# KiCad board AMC_FMC_Carrier-PcbDoc.kicad_pcb (continued)
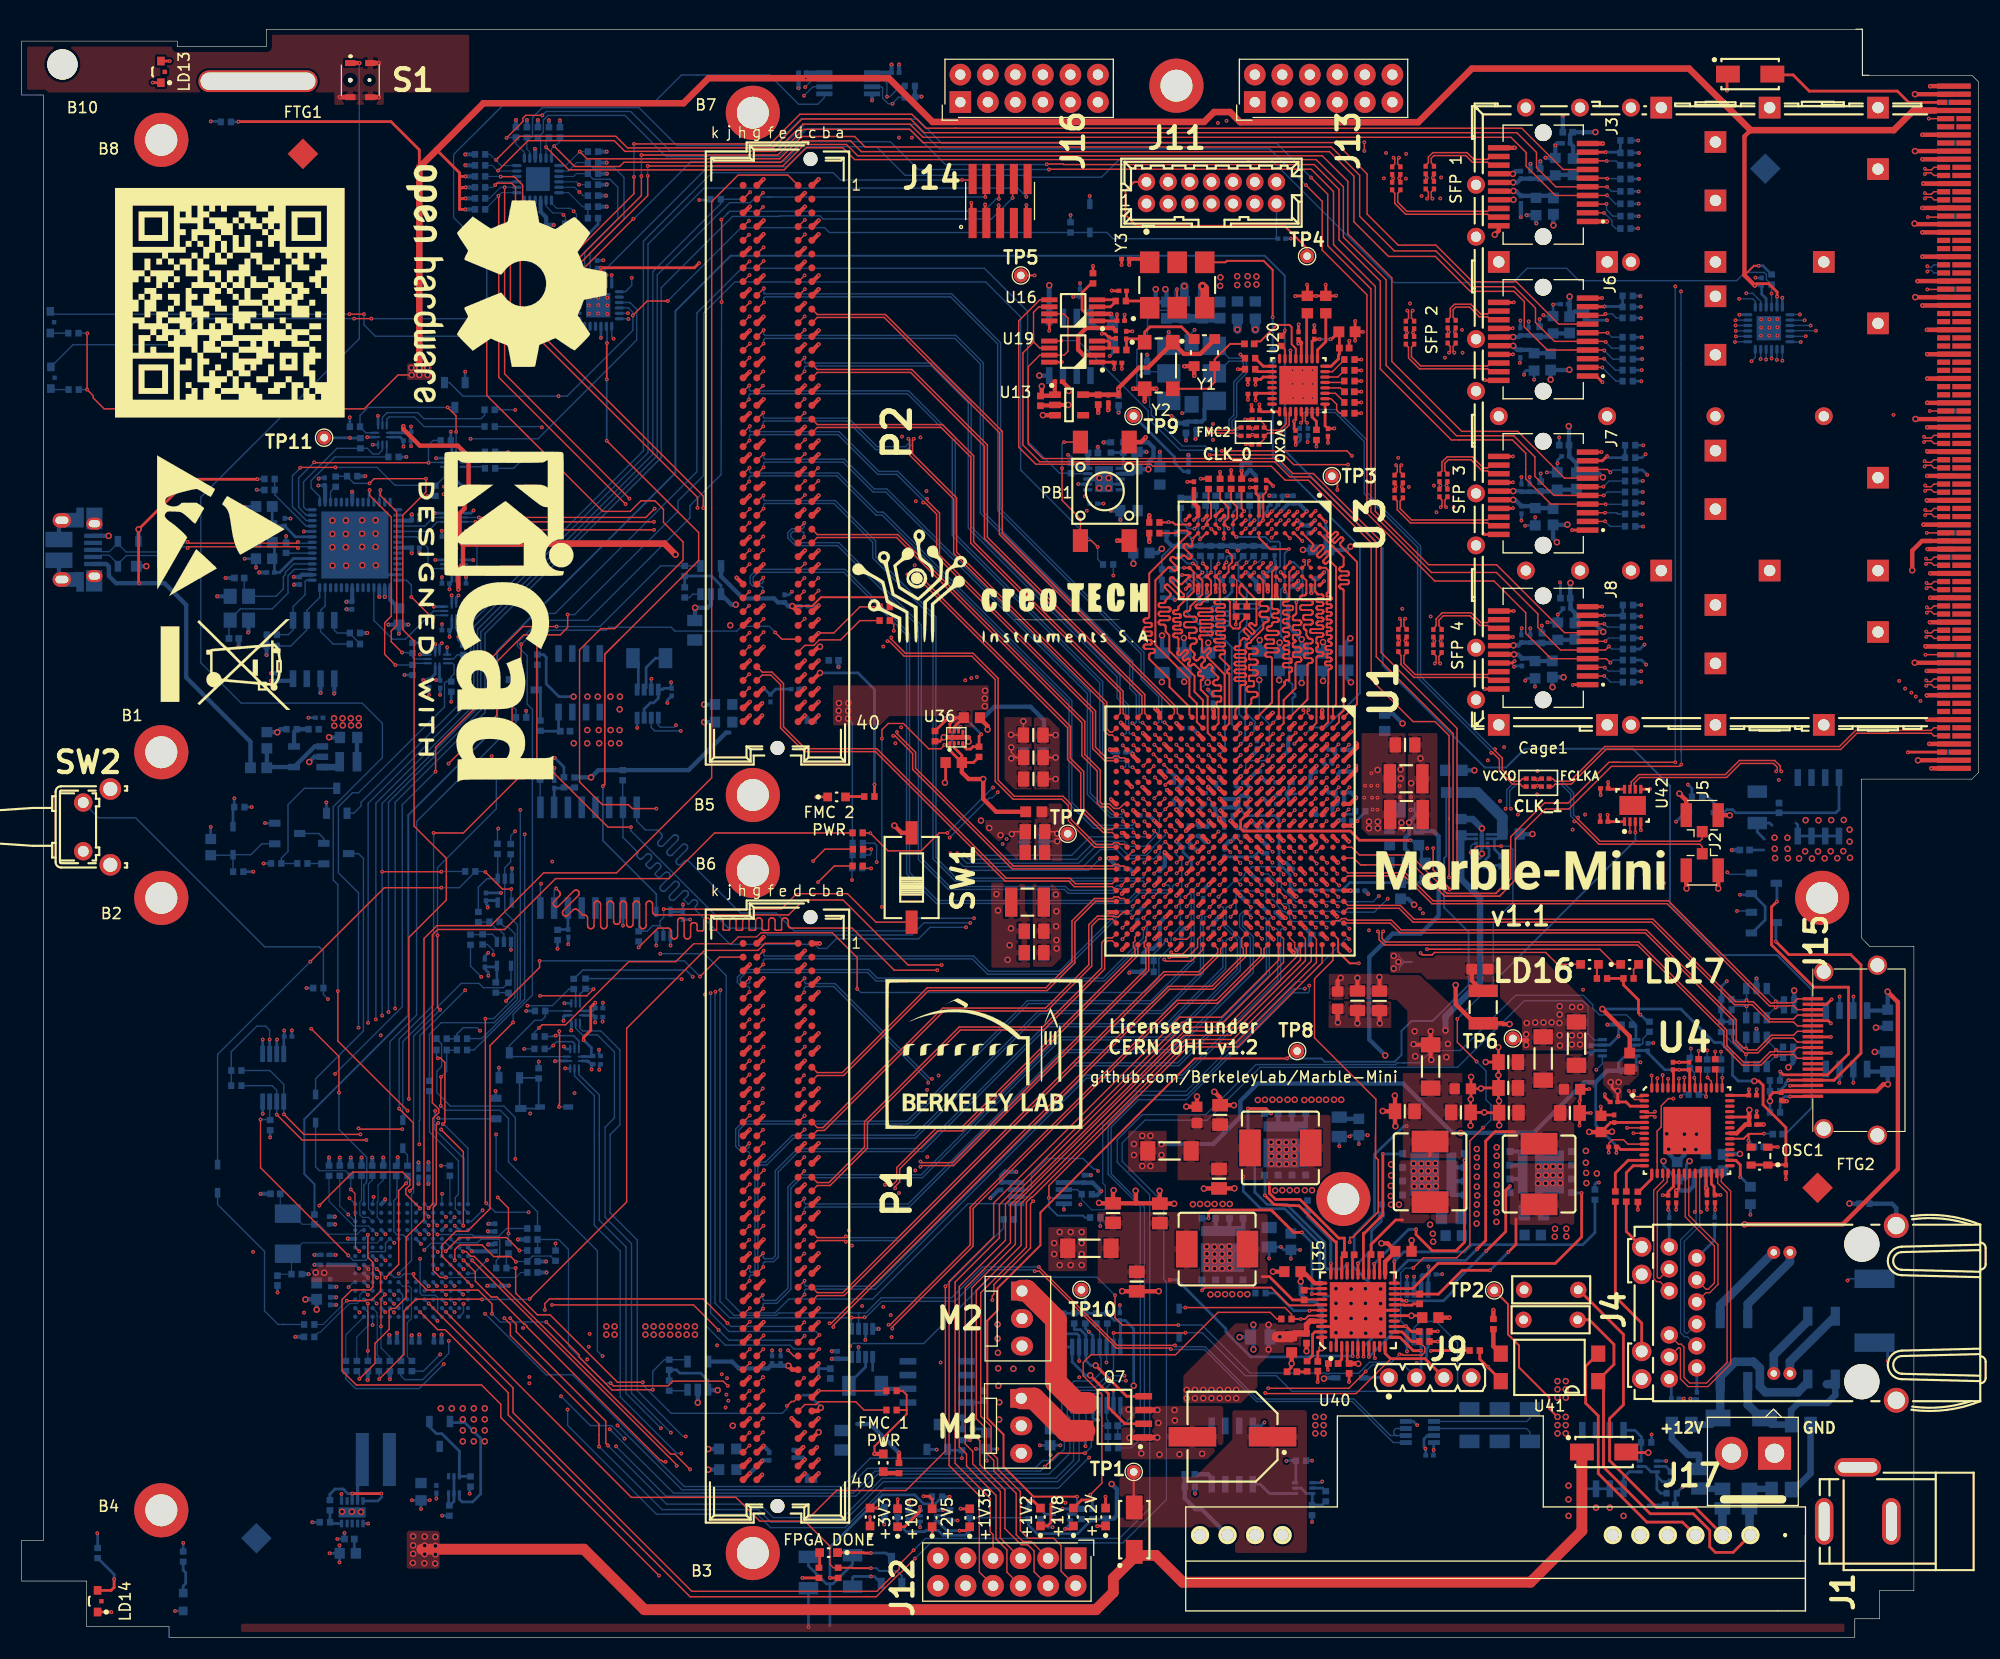
[diagram p0: board, top side]
## Routing (per net, layer and track width the routed paths; a pad name or vN(x,y) marks a point on that pad's centre or on a via; arc(x,y) is an arc through that point) (continued)
/FPGA/SFP1_DEF0: length 31.3
  Top w0.127: v1(146.35,134.71) 146.31,134.75 J3.6
  In2.Cu w0.127: v1(165.12,121.14) 165.12,123.58 159.41,129.3 151.99,129.3 149.23,132.06 148.17,132.06 146.67,133.56 146.67,134.39 v1(146.35,134.71)
  Bottom w0.127: v1(146.35,134.71) 147.52,134.71 R37.2 ; U34.3 163.22,121.14 v1(165.12,121.14)
/FPGA/SFP1_LOS: length 33.3
  Top w0.127: v1(146.3,136.33) 146.29,136.35 J3.8
  In2.Cu w0.127: v1(165.61,120.66) 165.61,123.94 159.92,129.63 153.67,129.63 146.96,136.33 v1(146.3,136.33)
  Bottom w0.127: v1(165.61,120.66) 163.24,120.66 U34.4 ; v1(146.3,136.33) 147.17,136.33 R38.2
/FPGA/SFP1_RS: length 110.2
  Top w0.127: 86.26,139.36 86.16,139.36 ; 86.26,139.36 138.46,139.36 142.27,135.55 J3.7 ; 86.26,139.36 83.46,139.36 82.17,140.65 71.83,140.65 69.09,137.91 v1(56.51,137.91) ; v1(50.19,126.99) 56.51,133.31 v1(56.51,134.86)
  Bottom w0.127: v1(50.19,126.99) 49.25,126.05 49.25,124.37 49.85,123.77 U39.17 ; v1(56.51,134.86) v1(56.51,137.91)
/FPGA/SFP1_TX_DIS: length 29.1
  Top w0.127: J3.3 146.26,132.35 v1(146.28,132.37)
  In2.Cu w0.127: v1(164.57,121.63) 164.57,123.58 159.18,128.97 151.05,128.97 149.13,130.89 147.76,130.89 v1(146.28,132.37)
  Bottom w0.127: v1(146.28,132.37) 146.28,131.84 146.87,131.24 R105.2 ; U34.2 163.23,121.63 v1(164.57,121.63)
/FPGA/SFP1_TX_FAULT: length 27.9
  Top w0.127: v1(146.05,131.53) 146.03,131.55 J3.2
  In2.Cu w0.127: v1(164.13,122.16) 164.13,123.48 159.1,128.51 150.62,128.51 149.55,129.58 147.4,129.58 146.68,130.29 146.68,130.9 v1(146.05,131.53)
  Bottom w0.127: U34.1 163.23,122.16 v1(164.13,122.16) ; v1(146.05,131.53) 146.22,131.36 146.26,131.36 146.79,130.83 146.79,130.44 147.13,130.1 R34.2
/FPGA/SFP2_DEF0: length 16.6
  Top w0.127: J6.6 146.36,120.47 v1(146.38,120.46)
  In2.Cu w0.127: v1(146.38,120.46) 146.66,120.74 157.78,120.74 v1(158.19,121.14)
  Bottom w0.127: 147.76,120.07 146.77,120.07 v1(146.38,120.46) ; v1(158.19,121.14) 158.19,121.14 U34.16
/FPGA/SFP2_LOS: length 17.3
  Top w0.127: J6.8 146.04,122.07 v1(146.18,122.21)
  In2.Cu w0.127: v1(146.18,122.21) 147.29,122.21 148.46,121.04 157.61,121.04 v1(158.19,121.63)
  Bottom w0.127: v1(158.19,121.63) 158.2,121.64 U34.17 ; 147.76,121.84 147.18,121.84 146.81,122.21 v1(146.18,122.21)
/FPGA/SFP2_RS: length 116.6
  Top w0.127: v1(57.2,134.94) 57.2,133.13 49.43,125.36 v1(49.43,123.25) ; J6.7 141.86,121.27 137.95,125.18 133.91,125.18 130.53,128.56 127.05,128.56 124.18,131.43 124.18,135.14 121.28,138.04 83.18,138.04 81.96,139.26 72.16,139.26 69.79,136.88 v1(57.2,136.88)
  Bottom w0.127: v1(49.43,123.25) 51.25,123.25 U39.16 ; v1(57.2,134.94) v1(57.2,136.88)
/FPGA/SFP2_TX_DIS: length 18
  Top w0.127: v1(146.05,118.07) 146.05,118.07 J6.3
  In2.Cu w0.127: v1(158.22,120.64) 157.99,120.41 151.44,120.41 149.1,118.07 v1(146.05,118.07)
  Bottom w0.127: v1(146.05,118.07) 147.1,117.02 147.76,117.02 ; U34.15 158.22,120.64 v1(158.22,120.64)
/FPGA/SFP2_TX_FAULT: length 18.4
  Top w0.127: v1(145.9,117.26) 145.88,117.27 J6.2
  In2.Cu w0.127: v1(145.9,117.26) 149.25,117.26 149.7,117.71 150.1,117.71 152.4,120 157.9,120 157.95,119.95 158.04,119.95 v1(158.22,120.13)
  Bottom w0.127: U34.14 158.23,120.14 v1(158.22,120.13) ; v1(145.9,117.26) 147.15,116 147.76,116
/FPGA/SFP3_DEF0: length 25
  Top w0.127: J7.6 145.99,106.25 v1(146,106.26)
  In2.Cu w0.127: v1(159.66,117.84) 158.04,116.22 154.56,116.22 152.98,114.64 152.98,111.85 147.39,106.26 v1(146,106.26)
  Bottom w0.127: U34.12 160.01,118.19 v1(159.66,117.84) ; v1(146,106.26) 146.52,106.78 R81.2
/FPGA/SFP3_LOS: length 24.3
  Top w0.127: J7.8 146.36,107.85 v1(146.63,107.58)
  In2.Cu w0.127: v1(158.14,119.62) 158.14,117.69 157.2,116.75 152.73,116.75 146.81,110.83 146.81,107.76 v1(146.63,107.58)
  Bottom w0.127: R82.2 146.85,107.8 v1(146.63,107.58) ; v1(158.14,119.62) 158.16,119.64 U34.13
/FPGA/SFP3_RS: length 125.5
  Top w0.127: v1(57.78,135.88) 70.26,135.88 72.24,137.86 76.12,137.86 77.16,136.82 120.04,136.82 122.4,134.45 122.4,129.6 126.47,125.54 126.47,117.82 132.92,111.37 138.09,111.37 142.41,107.05 J7.7 ; v1(49.8,122.82) 49.8,125.15 57.78,133.13 v1(57.78,134.96)
  Bottom w0.127: U39.15 49.86,122.77 v1(49.8,122.82) ; v1(57.78,134.96) v1(57.78,135.88)
/FPGA/SFP3_TX_DIS: length 27.3
  Top w0.127: J7.3 146.15,103.85 v1(146.15,103.85)
  In2.Cu w0.127: v1(160.5,118.05) 158.01,115.56 155.29,115.56 153.52,113.78 153.52,109.16 149.68,105.32 147.62,105.32 v1(146.15,103.85)
  Bottom w0.127: U34.11 160.51,118.06 v1(160.5,118.05) ; R84.2 147.33,103.73 147.22,103.85 v1(146.15,103.85)
/FPGA/SFP3_TX_FAULT: length 29.2
  Top w0.127: J7.2 146.14,103.05 v1(146.15,103.06)
  In2.Cu w0.127: v1(161.01,118) 160.98,118 157.89,114.9 155.57,114.9 154.15,113.47 154.15,107.38 149.83,103.06 v1(146.15,103.06)
  Bottom w0.127: U34.10 161.01,118 v1(161.01,118) ; R78.2 146.62,102.59 v1(146.15,103.06)
/FPGA/SFP4_DEF0: length 38.1
  Top w0.127: J8.6 146.17,91.98 v1(146.18,91.99)
  In2.Cu w0.127: v1(146.18,91.99) 147.22,93.03 147.22,98.84 148.49,100.11 149.17,100.11 155.37,106.31 156.36,106.31 158.75,108.7 158.75,113.47 162.51,117.23 v1(162.51,117.89)
  Bottom w0.127: R90.2 146.47,92.28 v1(146.18,91.99) ; U34.7 162.51,117.9 v1(162.51,117.89)
/FPGA/SFP4_LOS: length 36.4
  Top w0.127: J8.8 146.06,93.58 v1(146.07,93.59)
  In2.Cu w0.127: v1(162,117.97) 162,117.36 158.34,113.7 158.34,109 156.08,106.74 154.94,106.74 148.69,100.49 148.06,100.49 146.71,99.15 146.71,94.22 v1(146.07,93.59)
  Bottom w0.127: v1(162,117.97) 162.01,117.98 U34.8 ; v1(146.07,93.59) 146.37,93.29 R186.2
/FPGA/SFP4_RS: length 137.3
  Top w0.127: v1(56.46,131) 50.13,124.67 50.13,124.09 50.17,124.06 v1(50.17,122.29) ; J8.7 142.41,92.78 136.14,99.05 129.87,99.05 124.94,103.97 124.94,124.75 121.08,128.61 121.08,133.51 119.02,135.57 94.84,135.57 v1(94.82,135.55)
  Bottom w0.127: v1(56.46,131) 56.51,131 61.8,136.28 70.38,136.28 72.21,138.11 80.19,138.11 82.75,135.55 v1(94.82,135.55) ; U39.14 50.19,122.27 v1(50.17,122.29)
/FPGA/SFP4_TX_DIS: length 43.3
  Top w0.127: v1(146.13,89.55) 146.1,89.58 J8.3
  In2.Cu w0.127: v1(164.21,119.62) 164.21,118.12 159.38,113.3 159.38,103.72 150.42,94.75 150.42,91.6 148.56,89.75 146.88,89.75 146.68,89.55 v1(146.13,89.55)
  Bottom w0.127: R187.2 146.44,89.23 v1(146.13,89.55) ; U34.6 163.23,119.62 v1(164.21,119.62)
/FPGA/SFP4_TX_FAULT: length 46.4
  Top w0.127: v1(146.07,88.79) 146.07,88.78 J8.2
  In2.Cu w0.127: v1(164.67,120.15) 164.67,118.07 159.79,113.19 159.79,103.44 151.08,94.73 151.08,89.8 150.06,88.79 v1(146.07,88.79)
  Bottom w0.127: U34.5 164.65,120.14 v1(164.67,120.15) ; R87.2 146.65,88.21 v1(146.07,88.79)
/FPGA/SFP_1_RX_N: length 8
  Top w0.13: J3.12 135.59,136.75 135.32,136.48 134.02,136.48 133.41,137.1 130.25,137.1 129.84,136.69 129.84,136.17 129.59,135.93 C307.1
/FPGA/SFP_1_RX_P: length 7.5
  Top w0.13: C306.1 130.35,135.93 130.11,136.17 130.11,136.58 130.36,136.83 133.29,136.83 133.91,136.21 135.32,136.21 135.59,135.95 J3.13
/FPGA/SFP_1_TX_N: length 11.5
  Top w0.13: C299.1 126.49,133.59 126.74,133.34 126.74,132.42 127.74,131.41 135.32,131.41 135.59,131.15 J3.19
/FPGA/SFP_1_TX_P: length 11
  Top w0.13: J3.18 135.59,131.95 135.32,131.68 127.85,131.68 127.01,132.53 127.01,133.34 127.25,133.59 C298.1
/FPGA/SFP_2_RX_N: length 6.3
  Top w0.13: J6.12 135.59,122.47 135.32,122.21 134.66,122.21 133.76,123.11 132.25,123.11 131.86,122.71 131.86,121.91 131.62,121.68 C309.1
/FPGA/SFP_2_RX_P: length 5.9
  Top w0.13: J6.13 135.59,121.67 135.32,121.94 134.55,121.94 133.65,122.84 132.36,122.84 132.13,122.6 132.13,121.91 132.36,121.68 C308.1
/FPGA/SFP_2_TX_N: length 10.2
  Top w0.13: J6.19 135.59,116.87 135.32,117.14 129.01,117.14 128.01,118.14 128.01,119.12 127.76,119.37 C301.1
/FPGA/SFP_2_TX_P: length 9.8
  Top w0.13: C300.1 128.52,119.37 128.28,119.12 128.28,118.25 129.12,117.41 135.32,117.41 135.59,117.67 J6.18
/FPGA/SFP_3_RX_N: length 7.2
  Top w0.13: J7.12 135.59,108.25 135.32,107.99 134.91,107.99 133.89,109.01 131.57,109.01 131.09,108.54 131.09,107.71 130.86,107.48 C311.1
/FPGA/SFP_3_RX_P: length 6.7
  Top w0.13: J7.13 135.59,107.45 135.32,107.72 134.8,107.72 133.78,108.74 131.68,108.74 131.36,108.43 131.36,107.71 131.6,107.48 C310.1
/FPGA/SFP_3_TX_N: length 11.2
  Top w0.13: C303.1 126.72,105.17 126.97,104.92 126.97,104.12 128.17,102.92 135.32,102.92 135.59,102.65 J7.19
/FPGA/SFP_3_TX_P: length 10.7
  Top w0.13: C302.1 127.48,105.17 127.24,104.92 127.24,104.23 128.28,103.19 135.32,103.19 135.59,103.45 J7.18
/FPGA/SFP_4_RX_N: length 7.6
  Top w0.13: C313.1 130.3,93.15 130.55,93.4 130.55,94.05 131.11,94.61 133.79,94.61 134.68,93.71 135.32,93.71 135.59,93.98 J8.12
/FPGA/SFP_4_RX_P: length 7.1
  Top w0.13: C312.1 131.06,93.18 130.82,93.43 130.82,93.94 131.22,94.34 133.67,94.34 134.57,93.44 135.32,93.44 135.59,93.18 J8.13
/FPGA/SFP_4_TX_N: length 10.9
  Top w0.13: C305.1 127.07,90.93 127.31,90.68 127.31,89.83 128.5,88.64 135.32,88.64 135.59,88.38 J8.19
/FPGA/SFP_4_TX_P: length 10.5
  Top w0.13: J8.18 135.59,89.18 135.32,88.91 128.61,88.91 127.58,89.94 127.58,90.67 127.83,90.91 C304.1
/FPGA/SI570_CLK_N: length 11.2
  Bottom w0.13: C386.1 112.53,110.94 112.28,111.2 111.89,111.2 111.45,111.64 111.45,112.43 111.87,112.85 111.87,115.94 112.77,116.83 112.77,117.66 112.57,117.86 111.44,117.86 110.31,116.72 Y6.5
/FPGA/SI570_CLK_P: length 11.2
  Bottom w0.13: Y6.4 110.31,119.26 111.44,118.13 112.68,118.13 113.04,117.77 113.04,116.72 112.14,115.83 112.14,112.74 111.72,112.32 111.72,111.75 112,111.47 112.28,111.47 112.53,111.72 C385.1
/FPGA/VCXO_EN: length 88.8
  Top w0.127: v1(110.77,109.57) 122.32,109.57 v1(122.78,109.11) ; v1(118.49,72.54) 118.45,72.54 U1.E13
  Top w0.178: v1(106.63,124.5) 106.65,124.47 106.65,122.78
  In2.Cu w0.127: v1(118.49,72.54) 118.87,72.92 119.7,72.92 119.76,72.86 v1(129.74,72.86)
  In5.Cu w0.127: v1(129.74,72.86) 131.29,74.41 131.29,82.99 124.89,89.39 124.89,102.55 123.23,104.22 123.23,108.66 v1(122.78,109.11)
  Bottom w0.127: v1(110.77,109.57) 109.68,109.57 109.24,110.01 107.14,110.01 104.28,112.87 104.28,113.48 104.11,113.65 104.11,114.42 102.93,115.6 102.93,118.9 103.91,119.89 103.91,121.68 104.77,122.54 106.2,122.54 106.45,122.8 106.45,124.32 v1(106.63,124.5)
/FPGA/WR_DAC1_SYNC: length 82.7
  Top w0.127: v1(119.51,72.55) 119.91,72.96 U1.C13 ; v1(95.96,119.75) 95.92,119.71 U19.5 ; v1(109.65,109.2) 116.5,109.2 117.41,108.29 v1(122.43,108.29)
  In5.Cu w0.127: v1(122.43,108.29) 122.43,103.95 124.23,102.15 124.23,89.01 130.5,82.74 130.5,74.68 128.91,73.05 128.71,72.85
  In5.Cu w0.15: v1(119.51,72.55) 119.7,72.75 128.61,72.75 128.91,73.05 ; 128.64,72.77 128.71,72.85
  Bottom w0.127: v1(95.96,119.75) 97.48,119.75 103.98,113.26 103.98,112.56 106.91,109.62 109.22,109.62 v1(109.65,109.2) 109.64,109.19
/FPGA/WR_DAC2_SYNC: length 99.8
  Top w0.127: v1(119.48,70.5) 119.03,70.95 U1.D15 ; 131.75,75.65 131.75,75.65 v1(131.75,70.18) ; 131.75,75.65 131.75,83.27 130.45,84.57 128.42,84.57 124.56,88.43 124.56,101.06 118.77,106.85 116.63,106.85 115.35,108.14 104.41,108.14 104.22,108.33 93.61,108.33 92.02,109.91 92.02,121.56 93.98,123.52 U16.5 ; 131.75,75.65 131.75,75.5
  In2.Cu w0.127: v1(119.48,70.5) 119.83,70.15 121.61,70.15 121.62,70.16 123.41,70.16 123.43,70.18 v1(131.75,70.18)
/FPGA/WR_DAC_DIN: length 98.8
  Top w0.127: U1.B16 121.56,69.43 v1(121.6,69.43) ; U16.7 96.18,122.22 96.57,121.83 96.57,118.76 96.22,118.41 U19.7 93.98,118.41 92.91,117.34 92.91,110.2 94.25,108.86 115.94,108.86 117.32,107.47 119.21,107.47 125.48,101.21 125.48,90.94 132.48,83.94 132.48,69.73 v1(132.21,69.46)
  In2.Cu w0.127: v1(121.6,69.43) 132.18,69.43 v1(132.21,69.46)
/FPGA/WR_DAC_SCLK: length 97.2
  Top w0.127: v1(121.44,70.51) 121.44,70.55 U1.B15 ; 93.44,119.59 93.98,119.06 U19.6 ; 93.44,119.59 93.39,119.59 92.41,118.61 92.41,110.1 93.96,108.56 115.65,108.56 117.05,107.16 118.97,107.16 125.03,101.1 125.03,90.55 132.12,83.46 v1(132.12,70.53) ; 93.44,119.59 93.39,119.64 93.39,122.36 93.9,122.87 U16.6
  In2.Cu w0.127: v1(132.12,70.53) 121.7,70.53 121.69,70.51 v1(121.44,70.51)
/FPGA_RTS: length 88.3
  Top w0.127: v1(58.37,102.27) v1(42.42,102.27)
  Top w0.13: v1(103.5,77.45) 104,76.96 U1.W9
  In2.Cu w0.127: v1(103.5,77.45) 103.14,77.82 101.21,77.82 100.91,78.12 91.97,78.12 87.87,82.22 87.87,83.14 87.65,83.35 v1(87.65,88.58)
  In5.Cu w0.127: v1(58.37,102.27) 57.89,102.76 57.89,103.08 60.6,105.8 70.08,105.8 72.09,103.8 76.58,103.8 78.66,101.71 78.66,97.57 v1(87.65,88.58)
  Bottom w0.118: 41.8,98.7 U15.5
  Bottom w0.127: 42.02,98.85 41.86,98.7 41.71,98.7 ; 42.02,98.85 42.01,98.84 ; 42.02,98.85 42.02,101.88 v1(42.42,102.27) ; 41.71,98.7 U15.5 ; 41.71,98.7 41.53,98.7
/FPGA_RxD: length 80.8
  Top w0.118: v1(41.88,103.01) 56.16,103.01
  Top w0.127: 56.16,103.01 58.35,103.01 v1(58.36,103.02)
  Top w0.13: U1.Y9 v1(102.54,77.45)
  In2.Cu w0.127: v1(87.1,88.38) 87.07,88.35 87.07,83.25 86.88,83.05 86.88,82.55 91.57,77.86 100.6,77.86 101.02,77.45 v1(102.54,77.45)
  In5.Cu w0.127: v1(87.1,88.38) 87.1,88.63 78.14,97.58 78.14,101.6 76.47,103.27 71.69,103.27 70.1,104.86 60.21,104.86 v1(58.36,103.02)
  Bottom w0.118: v1(41.88,103.01) 41.88,103.02 U38.5
/FPGA_TxD: length 84.4
  Top w0.118: v1(42.19,103.42) 56.44,103.42
  Top w0.127: 105.62,78.71 v1(105.56,78.71) ; v1(58.42,104.23) 57.61,103.42 56.44,103.42 ; U1.U7 105.87,78.96
  Top w0.13: U1.U7 105.81,78.96 v1(105.56,78.71)
  In2.Cu w0.127: v1(88.16,88.68) 88.16,82.61 92.33,78.45 101.45,78.45 101.89,78.89 105.38,78.89 v1(105.56,78.71)
  In5.Cu w0.127: v1(58.42,104.23) 60.32,106.13 70.74,106.13 72.29,104.58 76.45,104.58 79.21,101.83 79.21,97.66 88.16,88.71 v1(88.16,88.68)
  Bottom w0.118: U38.4 v1(42.19,103.42)
/I2C_MUX/I2C_SFP1_SCL: length 113.2
  Top w0.127: v1(146.33,133.95) 146.33,133.95 J3.5 141.6,133.95 139.82,135.73 139.82,137.13 138,138.95 83.31,138.95 82.04,140.22 72.03,140.22 69.36,137.54 55.91,137.54 54.84,138.62 45.97,138.62 v1(43.79,136.44)
  Bottom w0.102: R49.1 43.23,136.94 44.27,135.91 U5.6
  Bottom w0.127: v1(146.33,133.95) 146.75,133.53 R36.2
/I2C_MUX/I2C_SFP1_SDA: length 113.1
  Top w0.127: v1(146.33,133.16) 146.32,133.15 J3.4 141.56,133.15 138.86,135.85 138.86,137.12 137.46,138.52 83.21,138.52 81.99,139.74 72.11,139.74 69.6,137.22 55.68,137.22 54.69,138.21 46.74,138.21 v1(43.97,135.45)
  Bottom w0.102: U5.5 43.95,135.41 43.43,135.93 R50.1
  Bottom w0.127: R35.2 147.1,132.38 v1(146.33,133.16)
/I2C_MUX/I2C_SFP2_SCL: length 111.7
  Top w0.127: v1(146.2,119.62) 146.15,119.67 J6.5 141.47,119.67 139.72,121.42 139.72,122.75 137.74,124.73 133.83,124.73 130.53,128.03 126.69,128.03 123.49,131.23 123.49,135.01 120.88,137.63 77.85,137.63 76.89,138.59 72.03,138.59 69.98,136.54 52.17,136.54 v1(51.51,137.2)
  Bottom w0.102: U5.13 50.22,135.91 v1(51.51,137.2) R55.1
  Bottom w0.127: 147.76,119.05 146.77,119.05 v1(146.2,119.62)
/I2C_MUX/I2C_SFP2_SDA: length 114.9
  Top w0.127: v1(146.07,118.83) 146.03,118.87 J6.4 140.83,118.87 138.69,121.01 138.69,123.34 137.74,124.29 133.7,124.29 130.48,127.52 126.16,127.52 122.96,130.72 122.96,134.94 120.7,137.2 77.49,137.2 76.5,138.19 72.06,138.19 70.08,136.21 57.96,136.21 57.95,136.22 55.58,136.22 55.19,135.83 51.03,135.83 v1(49.15,137.71)
  Bottom w0.102: U5.12 48.9,136.79 48.89,136.79 48.89,137.45 v1(49.15,137.71) 49.33,137.88 49.45,137.88 49.68,138.11 R56.1
  Bottom w0.127: v1(146.07,118.83) 146.87,118.03 147.76,118.03
/I2C_MUX/I2C_SFP3_SCL: length 125.4
  Top w0.127: 113.31,136.46 113.16,136.46 ; 113.31,136.46 119.48,136.46 122,133.95 122,129.3 125.93,125.36 125.93,117.46 128.07,115.33 ; 113.31,136.46 76.89,136.46 75.79,137.55 72.41,137.55 70.37,135.51 50.5,135.51 v1(48.4,137.62) ; 128.07,115.33 127.99,115.4 ; 128.07,115.33 132.43,110.96 137.72,110.96 139.67,109 139.67,107.21 141.43,105.45 J7.5 146.02,105.45 v1(146.02,105.45)
  Bottom w0.102: U5.11 v1(48.4,137.62) 48.4,138.24 R53.1
  Bottom w0.127: v1(146.02,105.45) 146.34,105.77 R80.2
/I2C_MUX/I2C_SFP3_SDA: length 129.8
  Top w0.127: v1(146.2,104.63) 146.19,104.65 J7.4 141.15,104.65 138.83,106.97 138.83,109.34 137.59,110.58 131.95,110.58 125.4,117.13 125.4,125.23 121.59,129.04 121.59,133.72 119.3,136 96.19,136 96.14,136.05 94.64,136.05 v1(94.61,136.03)
  Bottom w0.102: U5.10 47.9,138.26 R54.1
  Bottom w0.127: R54.1 47.67,138.51 48.15,138.99 48.15,140.12 48.57,140.54 55.69,140.54 59.49,136.74 69.93,136.74 72.52,139.33 81.94,139.33 85.27,136 94.59,136 v1(94.61,136.03) ; v1(146.2,104.63) 147.88,104.63 R79.2
/I2C_MUX/I2C_SFP4_SCL: length 143.9
  Top w0.127: v1(119,134.81) 120.55,133.26 120.55,128.51 124.54,124.52 124.54,103.92 130.12,98.34 136.12,98.34 139.94,94.51 139.94,93.26 142.03,91.18 J8.5 146.18,91.18 v1(146.51,91.5)
  Bottom w0.102: R51.1 46.63,137.42 46.9,137.16 U5.8
  Bottom w0.127: v1(119,134.81) 115.85,137.96 84.94,137.96 82.7,140.19 71.91,140.19 69.47,137.76 60.48,137.76 56.97,141.26 48.06,141.26 47.15,140.35 47.15,138.58 47.07,138.51 R51.1 ; v1(146.51,91.5) 146.75,91.26 R89.2
/I2C_MUX/I2C_SFP4_SDA: length 146.1
  Top w0.127: v1(48.06,140.55) 46.52,140.55 46.27,140.29 46.27,139.98 v1(44.75,138.47) ; v1(146.63,90) 146.26,90.38 J8.4 141.16,90.38 138.82,92.71 138.82,94.62 135.89,97.55 130.43,97.55 124.16,103.81 124.16,123.98 120.04,128.1 120.04,132.6 v1(118.54,134.1)
  Bottom w0.102: U5.7 46.4,137.16 46.28,137.27 46.25,137.27 45.62,137.91 R52.1
  Bottom w0.127: R52.1 44.79,138.51 v1(44.75,138.47) ; v1(146.63,90) 146.87,90.25 R88.2 ; v1(48.06,140.55) 48.41,140.91 56.21,140.91 59.84,137.27 69.82,137.27 72.26,139.71 82.45,139.71 84.71,137.45 115.19,137.45 v1(118.54,134.1)
/JTAG/FMC1_TDI_R: length 2.9
  Bottom w0.127: U10.1 43.86,64.49 43.43,64.92 R277.2 42.52,64.9 R237.2
/JTAG/FMC1_TDO_R: length 3.6
  Bottom w0.127: R238.2 43.14,66.05 R278.2 43.17,66.06 43.86,65.37 44.07,65.37 44.51,64.92 U10.2
/JTAG/FMC2_TDI_R: length 6.7
  Bottom w0.127: R238.1 42.15,69.27 42.95,70.06 U7.1 43.94,72.32 R279.2
/JTAG/FMC2_TDO_R: length 27.9
  Bottom w0.127: 45.11,72.31 R280.2 45.14,71.61 44.59,71.07 U7.2 44.59,66.98 45.76,65.81 45.76,58.9 43.61,56.76 38.71,56.76 37.64,55.69 R275.1
/JTAG/JTAG_TCK: length 142.9
  Top w0.127: v1(47.85,59.25) 52.17,59.25 v1(52.78,59.85)
  In5.Cu w0.127: J11.6 106.36,135.86 101.64,135.86 100.95,135.18 88.05,135.18 86.84,133.97 63.27,133.97 53.38,124.08 53.04,124.08 52.71,123.75 52.71,122.82 52.52,122.63 52.2,122.63 46.56,116.99 v1(46.56,109.11) 46.73,108.93 46.73,86.56 46.19,86.02 46.19,79.81 42.46,76.08 42.46,64.64 v1(47.85,59.25)
  Bottom w0.127: v1(46.56,109.11) 45.4,107.95 R230.2 ; R229.2 52.74,59.89 v1(52.78,59.85)
  Bottom w0.15: R229.2 52.02,59.89 51.53,59.4 U8.5
/JTAG/JTAG_TDI: length 147.7
  In5.Cu w0.127: v1(46.68,58.33) 41.45,63.56 41.45,76.8 44.91,80.25 v1(44.91,109.45) 44.88,109.47 44.88,119.25 53.16,127.53 53.68,127.53 61.49,135.34 85.55,135.34 87.53,137.32 108.9,137.32 J11.10
  Bottom w0.127: v1(46.68,58.33) 48.98,58.33 50.51,59.87 R215.2 ; R231.2 44.88,109.47 v1(44.91,109.45)
  Bottom w0.15: U8.4 51.13,59.69 R215.2
/JTAG/JTAG_TDO: length 147.5
  In5.Cu w0.127: 53.36,125.72 53.62,125.98 ; 53.36,125.72 51.98,124.34 51.98,123.56 45.55,117.13 v1(45.55,113.35) 45.55,81.07 45.6,81.02 45.6,80.06 41.96,76.42 41.96,63.64 48.54,57.06 48.54,55.87 ; 53.36,125.72 54.24,126.6 54.24,127.28 61.24,134.28 85.47,134.28 87.96,136.77 107.45,136.77 J11.8 ; 48.54,55.87 48.54,55.18 v1(49.07,54.65) ; 48.54,55.87 48.54,55.46
  Bottom w0.127: 49.02,54.65 v1(49.07,54.65) ; R233.2 45.54,113.36 v1(45.55,113.35)
  Bottom w0.15: U9.4 51.03,54.83 50.85,55.01 49.38,55.01 48.71,54.34 R216.2
/JTAG/JTAG_TMS: length 140.9
  In5.Cu w0.127: 93.78,134.63 88.47,134.63 86.64,132.8 64.46,132.8 54.24,122.58 53.77,122.58 53.58,122.39 53.58,121.99 48.02,116.43 v1(48.02,111.73) 46.98,110.69 46.98,79.55 43.15,75.73 43.15,67.96 49.11,62.01 49.11,55.74 v1(49.28,55.57) ; 93.78,134.63 101.31,134.63 102.07,135.39 104.83,135.39 J11.4 ; 93.78,134.63 93.41,134.63
  Bottom w0.127: v1(49.28,55.57) 49.03,55.57 49,55.53 49,55.49 ; R232.2 47.94,111.81 v1(48.02,111.73)
  Bottom w0.15: U9.5 51.43,55.07 50.94,55.56 49.07,55.56 49,55.49 R228.2
/LPC_RST: length 153.1
  Top w0.102: v1(30.38,41.36) 30.76,40.98 30.76,38.97 30.81,38.91 30.81,36 v1(31.17,35.65)
  Top w0.127: 92.73,134.58 v1(92.73,133.03)
  In2.Cu w0.127: v1(32.69,57.06) 32.69,46.17 30.74,44.23 30.74,41.73 v1(30.38,41.36)
  Bottom w0.102: v1(30.38,41.36) R138.1 30.36,42.62 29.89,43.09 27.48,43.09
  Bottom w0.127: v1(31.17,35.65) 30.81,36.01 U2.J1 ; v1(92.73,133.03) 91.94,133.83 62.98,133.83 57.81,128.66 57.81,109.4 41.73,93.32 41.73,86.07 32.69,77.03 v1(32.69,57.06) ; 27.48,43.09 27.13,43.45 D3.2
/MMC/AT_DET: length 123
  Top w0.127: 134.97,25.31 135.12,25.16 135.18,25.16 v1(135.36,24.98)
  Top w0.254: R179.2 134.58,25.69 136.52,23.76 U41.4
  In2.Cu w0.127: v1(34.37,30.01) 34.37,28.93 35.43,27.86 35.43,27.42 38.18,24.68 40.84,24.68 54.13,11.39 68.2,11.39 69.11,10.48 78.2,10.48 78.71,10.99 80.44,10.99 82.32,9.11 100.71,9.11 107.21,15.61 108.91,15.61 115.57,22.26 133.96,22.26 135.36,23.66 v1(135.36,24.98)
  Bottom w0.127: v1(34.37,30.01) 33.99,30.39 U2.B5
/MMC/BOOT_MODE0: length 69.1
  Top w0.127: R286.2 63.96,74.28 59.74,70.07 49.28,70.07 44.58,65.37 38.4,65.37 37.91,64.87 37.91,49.37 38.5,48.77 38.5,48.45 38.32,48.27 38.3,48.27 37.96,47.93 37.96,40.03 v1(37.57,39.64)
  Bottom w0.127: U2.P9 37.2,40.01 v1(37.57,39.64)
/MMC/BOOT_MODE1: length 57.3
  Top w0.13: R287.2 74.14,72.78 v1(73.05,71.69)
  In5.Cu w0.127: 58.93,61.64 51.48,54.19 47.55,54.19 47.04,54.7 46.56,54.7 46.54,54.72 46.33,54.72 46.31,54.71 46.01,54.71 44.41,53.11 44.41,44.83 40.82,41.24 39.09,41.24 v1(38.81,40.96)
  In5.Cu w0.13: v1(73.05,71.69) 68.48,67.12 64.41,67.12
  In5.Cu w0.15: 58.93,61.64 64.41,67.12
  Bottom w0.127: v1(38.81,40.96) 38.79,40.94 U2.P11
/MMC/BOOT_MODE2: length 59
  Top w0.13: v1(73.51,69.74) 75.01,71.23 R288.2
  In5.Cu w0.127: 41.53,41.06 40.99,40.52 37.71,40.52 37.23,41.01 36.78,41.01 36.19,41.59 33.4,41.59 v1(32.49,40.68)
  In5.Cu w0.13: v1(73.51,69.74) 69.47,65.7 65.28,65.7
  In5.Cu w0.15: 65.28,65.7 46.16,46.58 46.16,45.69 41.53,41.06
  Bottom w0.102: v1(32.49,40.68) 32.49,40.4 32.39,40.3 U2.P3
  Bottom w0.127: U2.P3 32.39,39.96
/MMC/EN_FMC1_P12V: length 66.5
  In5.Cu w0.127: v1(37.57,38.04) 37.93,37.67 37.93,31.52 38.99,30.46 40.58,30.46 41.15,29.88 v1(42.77,29.88)
  Bottom w0.127: U2.M9 37.2,38.41 v1(37.57,38.04) ; R188.1 v1(86.79,16.55) 78.33,16.55 75.72,13.93 61.15,13.93 50.84,24.24 48.41,24.24 v1(42.77,29.88)
  Bottom w0.254: Q8.1 85.54,17.27 R188.1
/MMC/EN_FMC2_P12V: length 51.6
  Bottom w0.127: 33.99,39.99 U2.P5 33.99,55.01 36.45,57.47 36.45,75.33 45.63,84.51 R201.1 45.63,85.66 45.2,86.09 Q9.1
/MMC/EN_PSU_CH: length 131.7
  Top w0.127: R245.2 115.85,29.4 115.24,30.01 110.41,30.01 106.5,26.1 98.7,26.1 97.98,25.38 97.98,24.16 99.7,22.43 99.7,14.24 v1(98.63,13.17) ; v1(58.83,5.7) 44.22,20.31 44.22,21.53 42.44,23.3 30.89,23.3 29.56,24.62 29.56,31.19 30.46,32.08 32.14,32.08 32.42,32.37 32.42,34.62 31.95,35.09 v1(31.95,37.17)
  In5.Cu w0.127: v1(98.63,13.17) 98.45,13.34 87.14,13.34 77.64,3.85 60.68,3.85 v1(58.83,5.7)
  Bottom w0.102: v1(31.95,37.17) 31.59,36.81 U2.K2
  Bottom w0.127: U2.K2 31.59,36.8
/MMC/HW_ID0: length 4.6
  Bottom w0.102: U2.M4 32.81,38.78 32.81,40.19 32.89,40.27 32.89,41.75 33.37,42.23 R144.1
  Bottom w0.127: U2.M4 33.21,38.41
/MMC/HW_ID1: length 3.7
  Bottom w0.102: R146.1 32.36,42.23 32.01,41.88 32.01,39.58 U2.N3
  Bottom w0.127: U2.N3 32.39,39.17
/MMC/HW_ID2: length 5.1
  Bottom w0.102: R147.1 31.37,40.34 31.21,40.19 31.21,39.02 31.45,38.78 32.01,38.78 U2.M3
  Bottom w0.127: U2.M3 32.39,38.39
/MMC/HW_ID3: length 6.8
  Bottom w0.127: 35.59,36.79 U2.K7 35.22,37.17 34.65,37.17 34.35,37.46 34.35,40.34 34.64,40.63 34.64,42.62
/MMC/I2C_PM_SCL: length 154.3
  Top w0.127: v1(115.06,23) 122.5,23 v1(124.05,24.55) ; v1(45.08,29.48) 45.64,28.92 45.64,28.23 53.91,19.96 53.91,17.92 v1(54.11,17.72) ; v1(31.81,45.93) 25.89,45.93 v1(23.55,48.27)
  Top w0.254: U35.12 127.22,27.71 128.45,26.47 v1(129.16,26.47)
  In2.Cu w0.127: v1(101.79,24.16) 113.9,24.16 115.06,23 v1(115.06,23)
  In5.Cu w0.127: v1(45.08,29.48) 42.67,31.89 41.07,31.89 39.56,33.4 39.56,38.43 v1(39.17,38.82) 38.4,38.82 37.96,39.27 33.13,39.27 31.88,40.53 31.88,42.02 32.74,42.89 32.74,45 v1(31.81,45.93)
  Bottom w0.127: U2.N11 38.79,39.2 v1(39.17,38.82) ; v1(23.55,48.27) 23.54,48.28 U28.2 23.54,50.52 23.11,50.95 R309.2 ; v1(101.79,24.16) 100.67,24.16 99.33,22.82 97.46,22.82 96.96,22.32 U27.16 97.09,21.29 97.09,16.33 95.47,14.71 79.42,14.71 75.78,11.06 69.35,11.06 68.11,12.31 59.52,12.31 v1(54.11,17.72) ; J9.2 127.56,25.16 124.66,25.16 v1(124.05,24.55)
  Bottom w0.254: v1(129.16,26.47) 129.16,27.7 U29.2 129.16,24.43 J9.2
/MMC/I2C_PM_SDA: length 156.8
  Top w0.127: 126.34,25.73 126.34,25.68 123.17,22.51 114.84,22.51 v1(114.78,22.57) ; v1(44.55,29.48) 45.11,28.92 45.11,27.88 53.29,19.7 v1(53.29,17.61) ; v1(31.27,46.44) 26.06,46.44 v1(24.21,48.3)
  Top w0.254: U35.11 125.84,26.23 126.34,25.73 129.52,25.73 J9.3
  In2.Cu w0.127: v1(114.78,22.57) 113.65,23.7 v1(101.92,23.7)
  In5.Cu w0.127: v1(31.27,46.44) 31.27,45.71 31.85,45.13 31.85,43.57 31.55,43.27 31.55,40.25 33.37,38.42 37.97,38.42 v1(38.35,38.04) 38.35,37.76 38.78,37.34 38.78,31.49 39.01,31.25 41.2,31.25 42.01,30.44 43.59,30.44 v1(44.55,29.48)
  Bottom w0.127: U2.M10 37.99,38.4 v1(38.35,38.04) ; v1(53.29,17.61) 59.11,11.8 67.99,11.8 69.16,10.63 75.81,10.63 79.55,14.38 95.63,14.38 97.6,16.34 U27.15 97.6,22.33 97.77,22.49 99.55,22.49 100.76,23.7 v1(101.92,23.7) ; v1(24.21,48.3) 24.19,48.31 U28.1 24.19,51.07 22.91,52.35 R310.2
  Bottom w0.254: J9.3 129.67,25.59 129.67,26.65 129.81,26.79 U29.1
